# Altium PCB KCP-2282-601-PCBV3.8.PcbDoc (part 1 of 3)
Units mm, origin at the board's own origin, x right, y up, seen from the top; angles counter-clockwise.
Board outline 58.3 x 95.6 mm, 4 copper layers (Top (1), GND (2), VCC (3), Bottom (4)), stack 1.595 mm thick; 164 components, 88 nets, 538 pads, 533 vias.
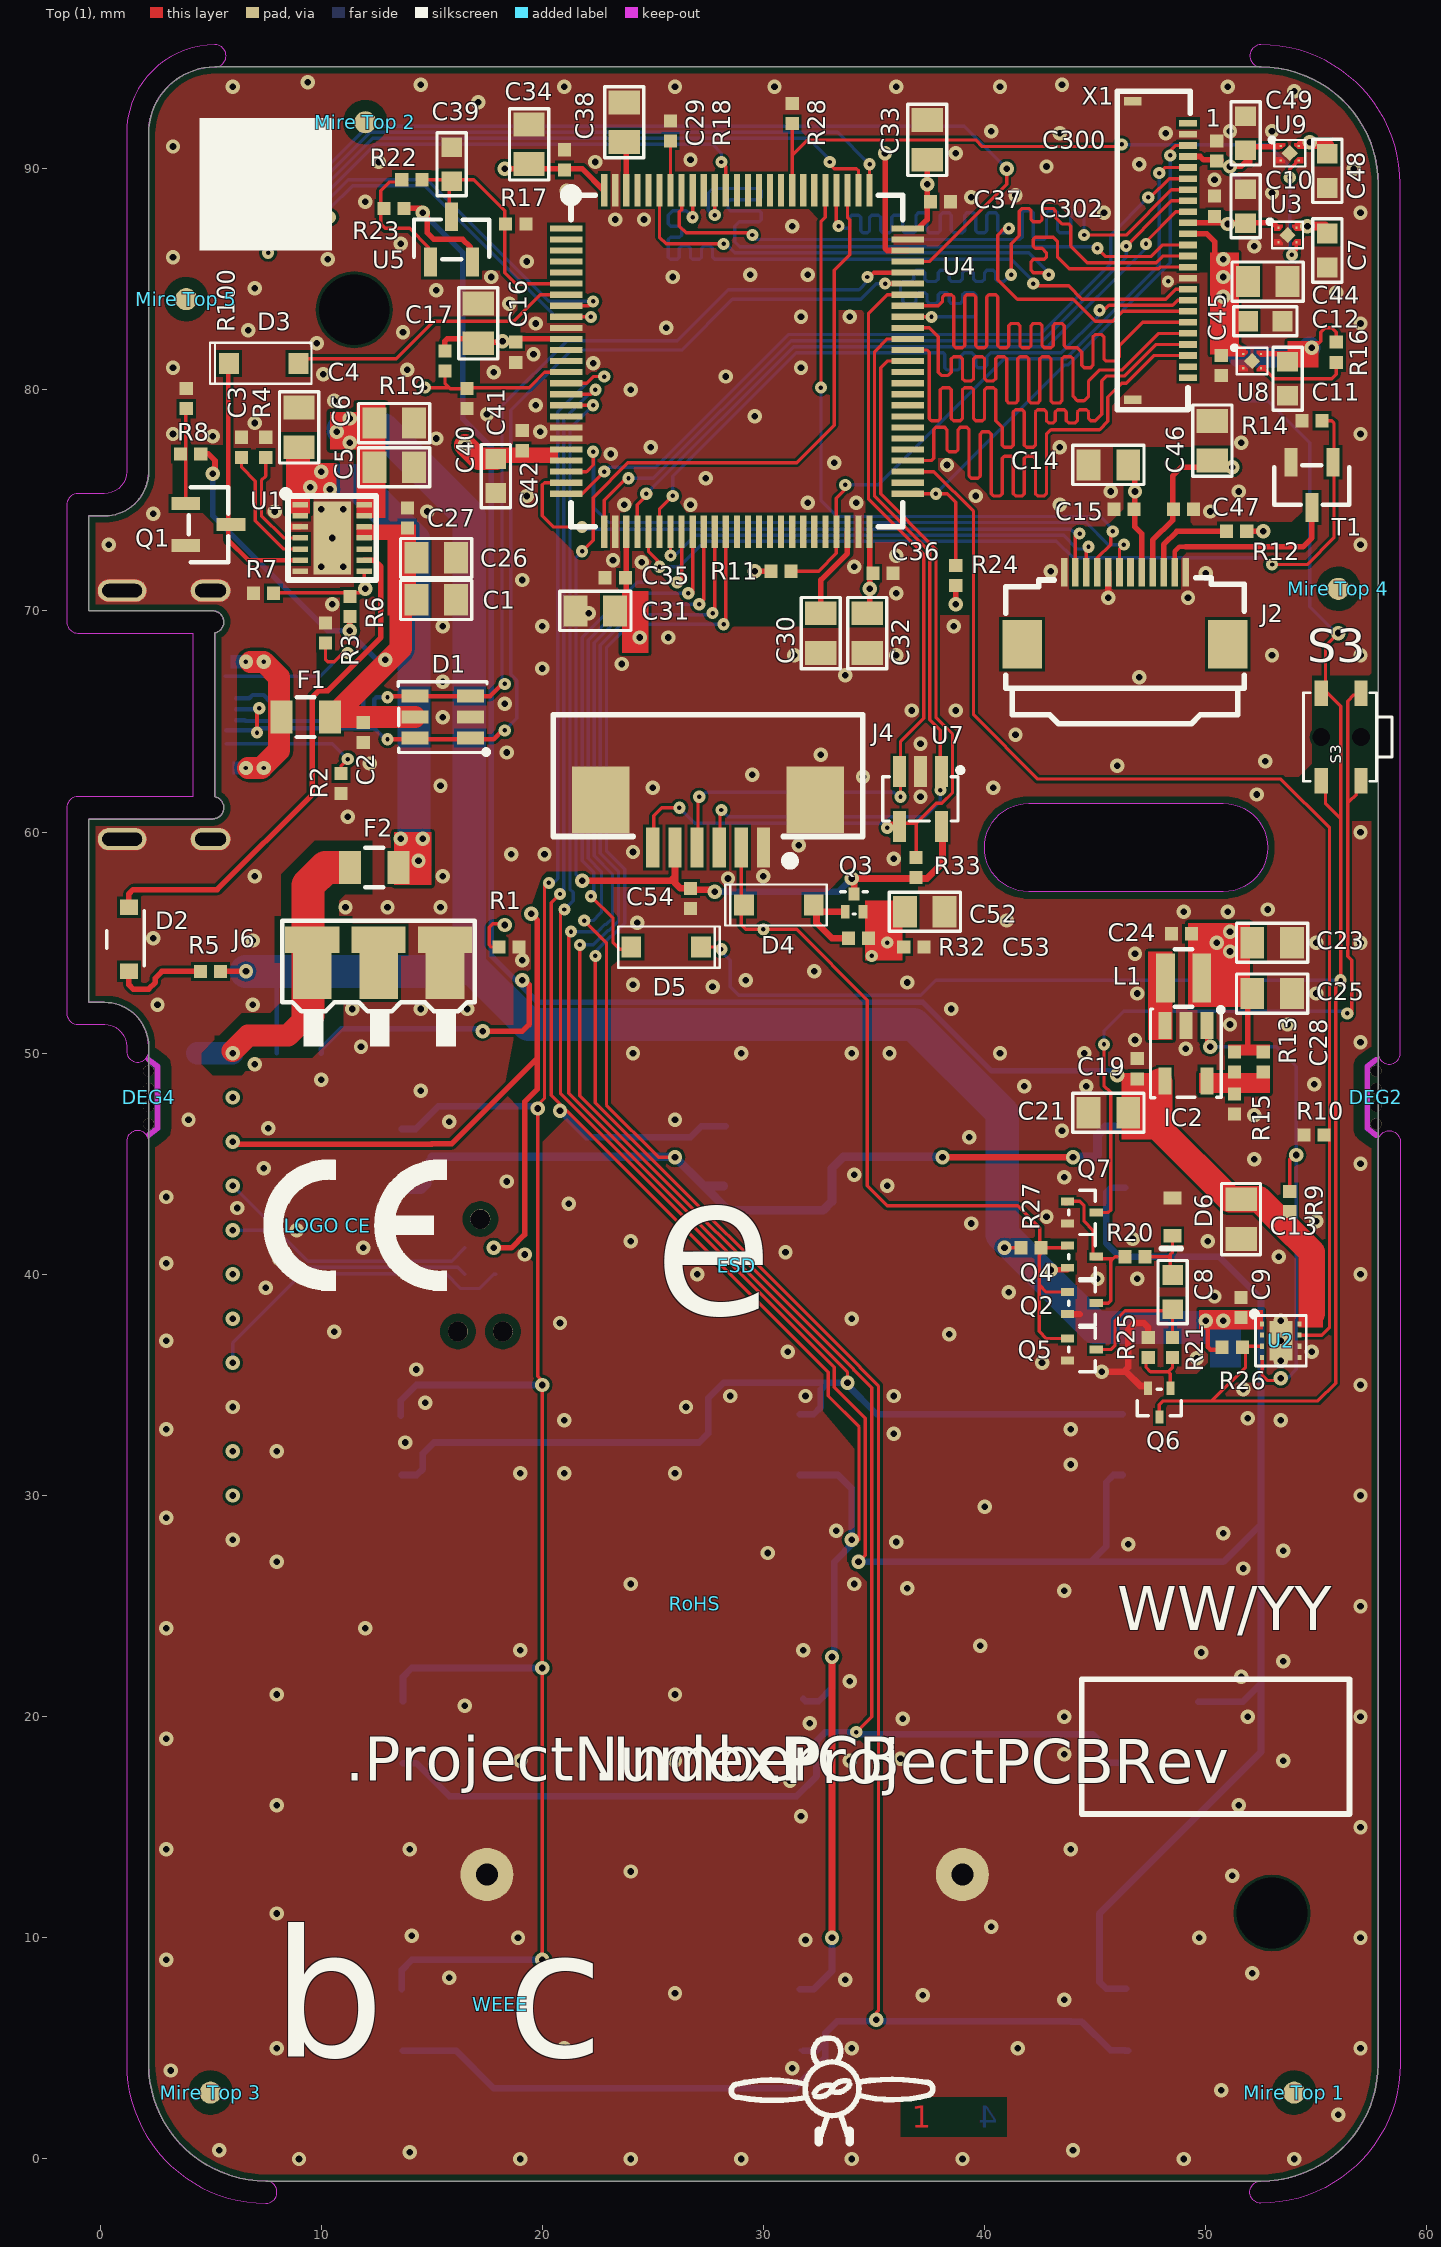
[diagram p0: Top (1) view]
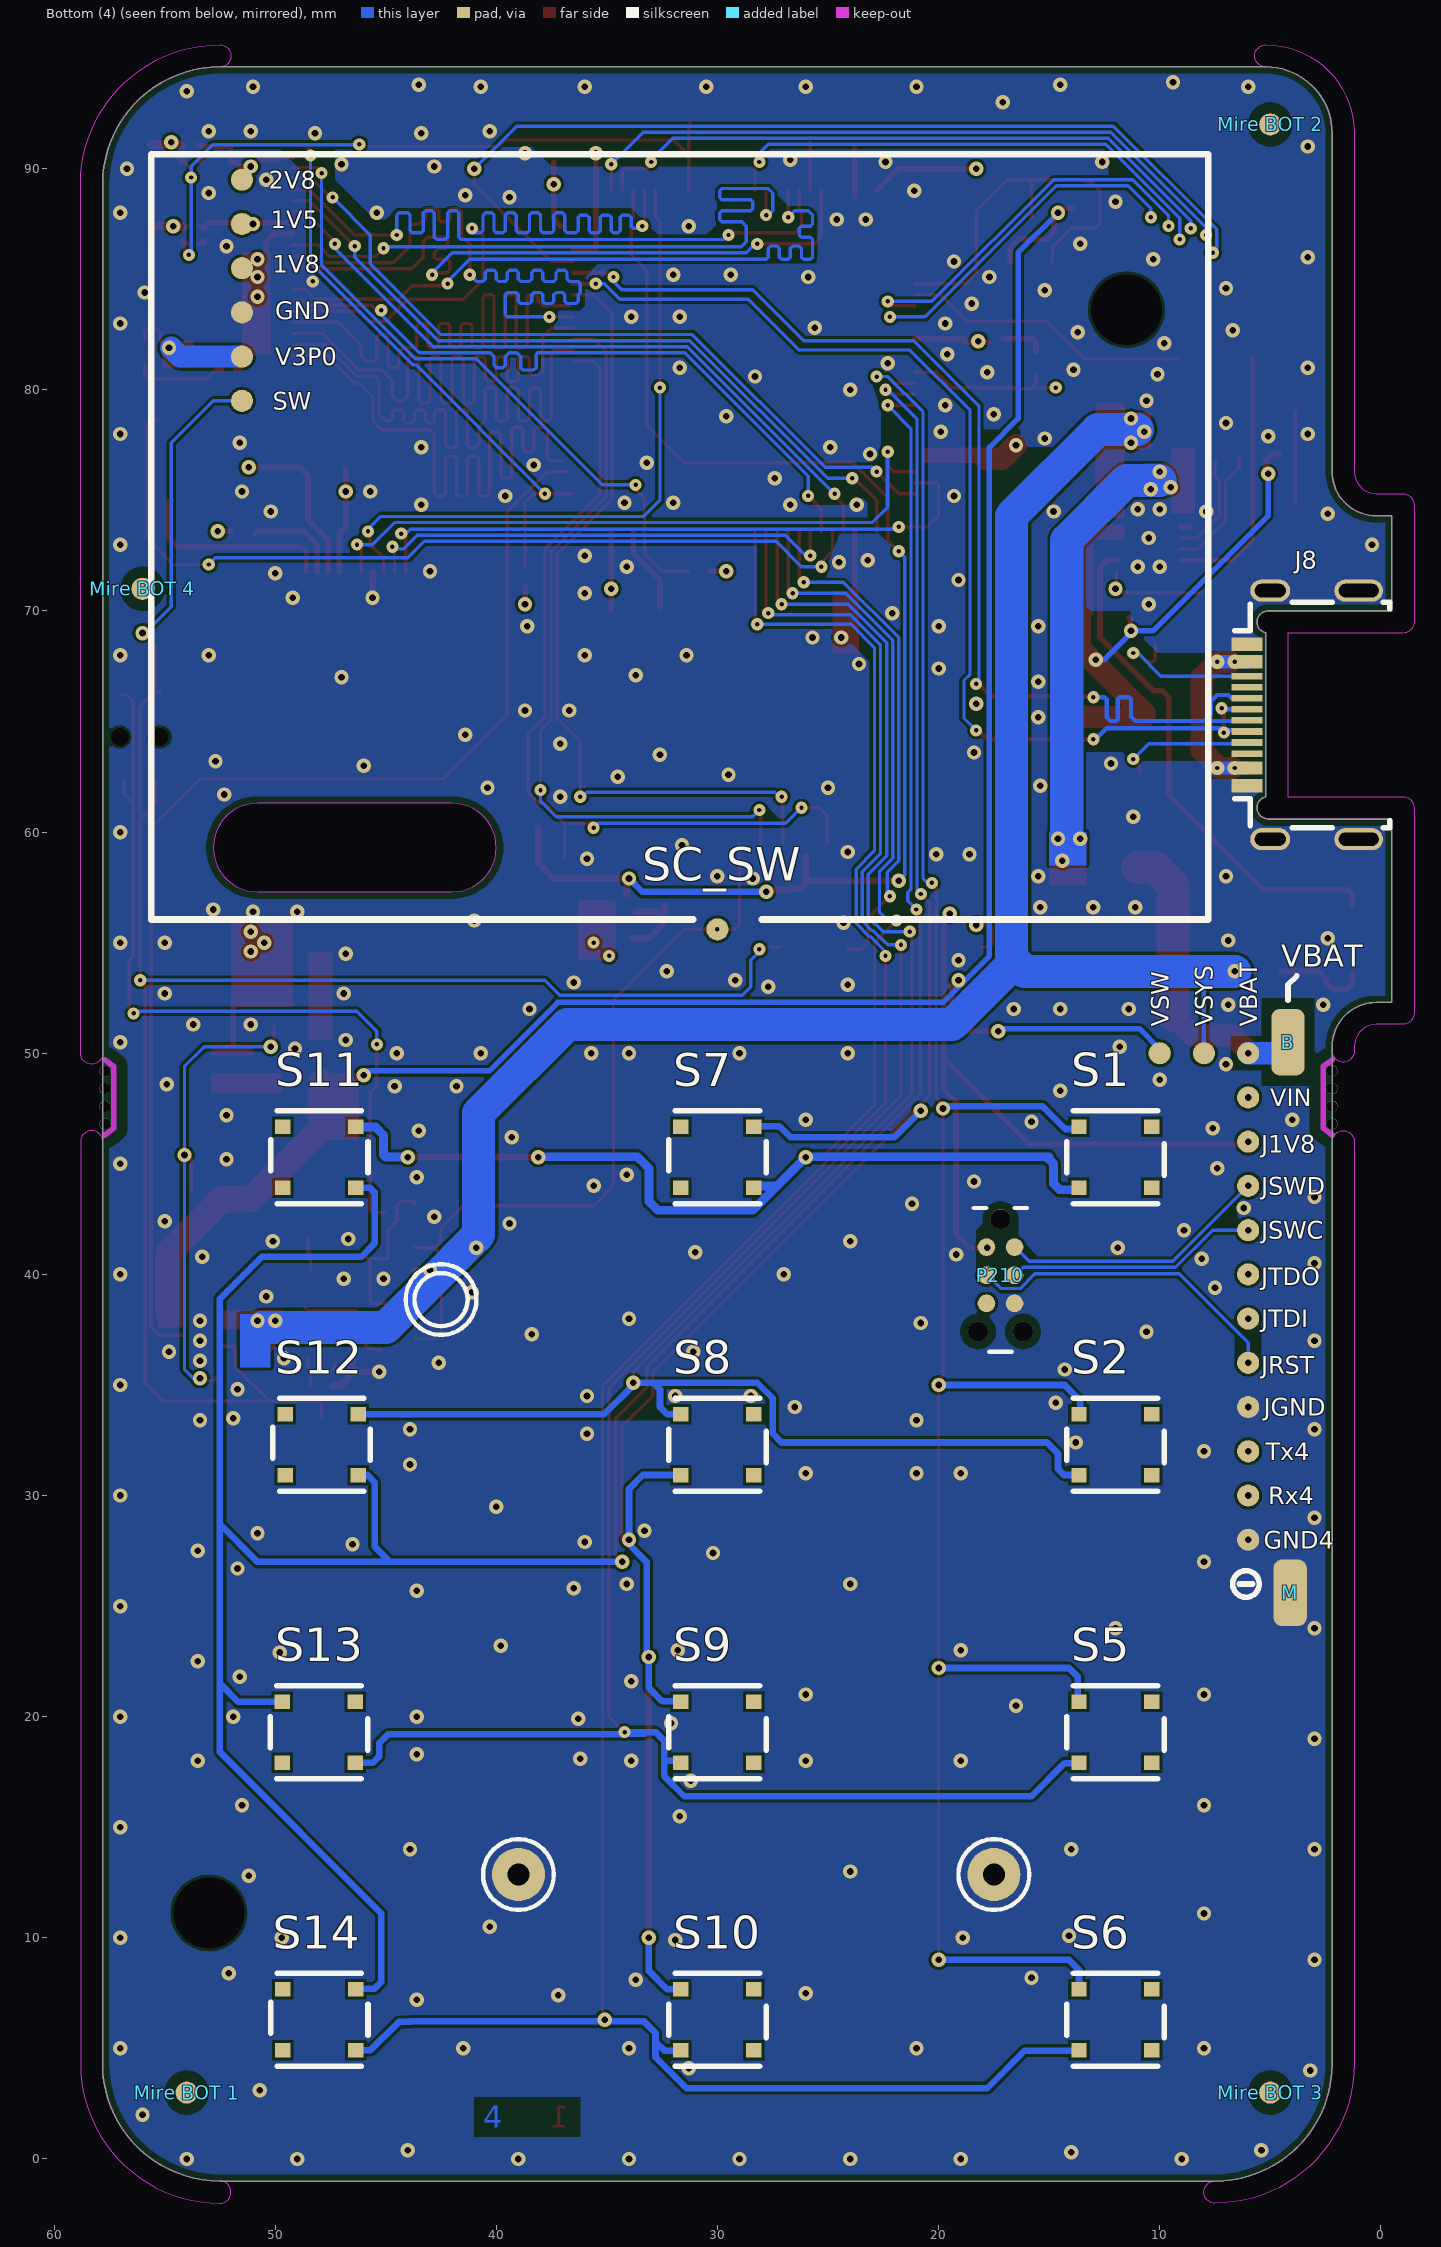
[diagram p1: Bottom (4) view, seen from below]
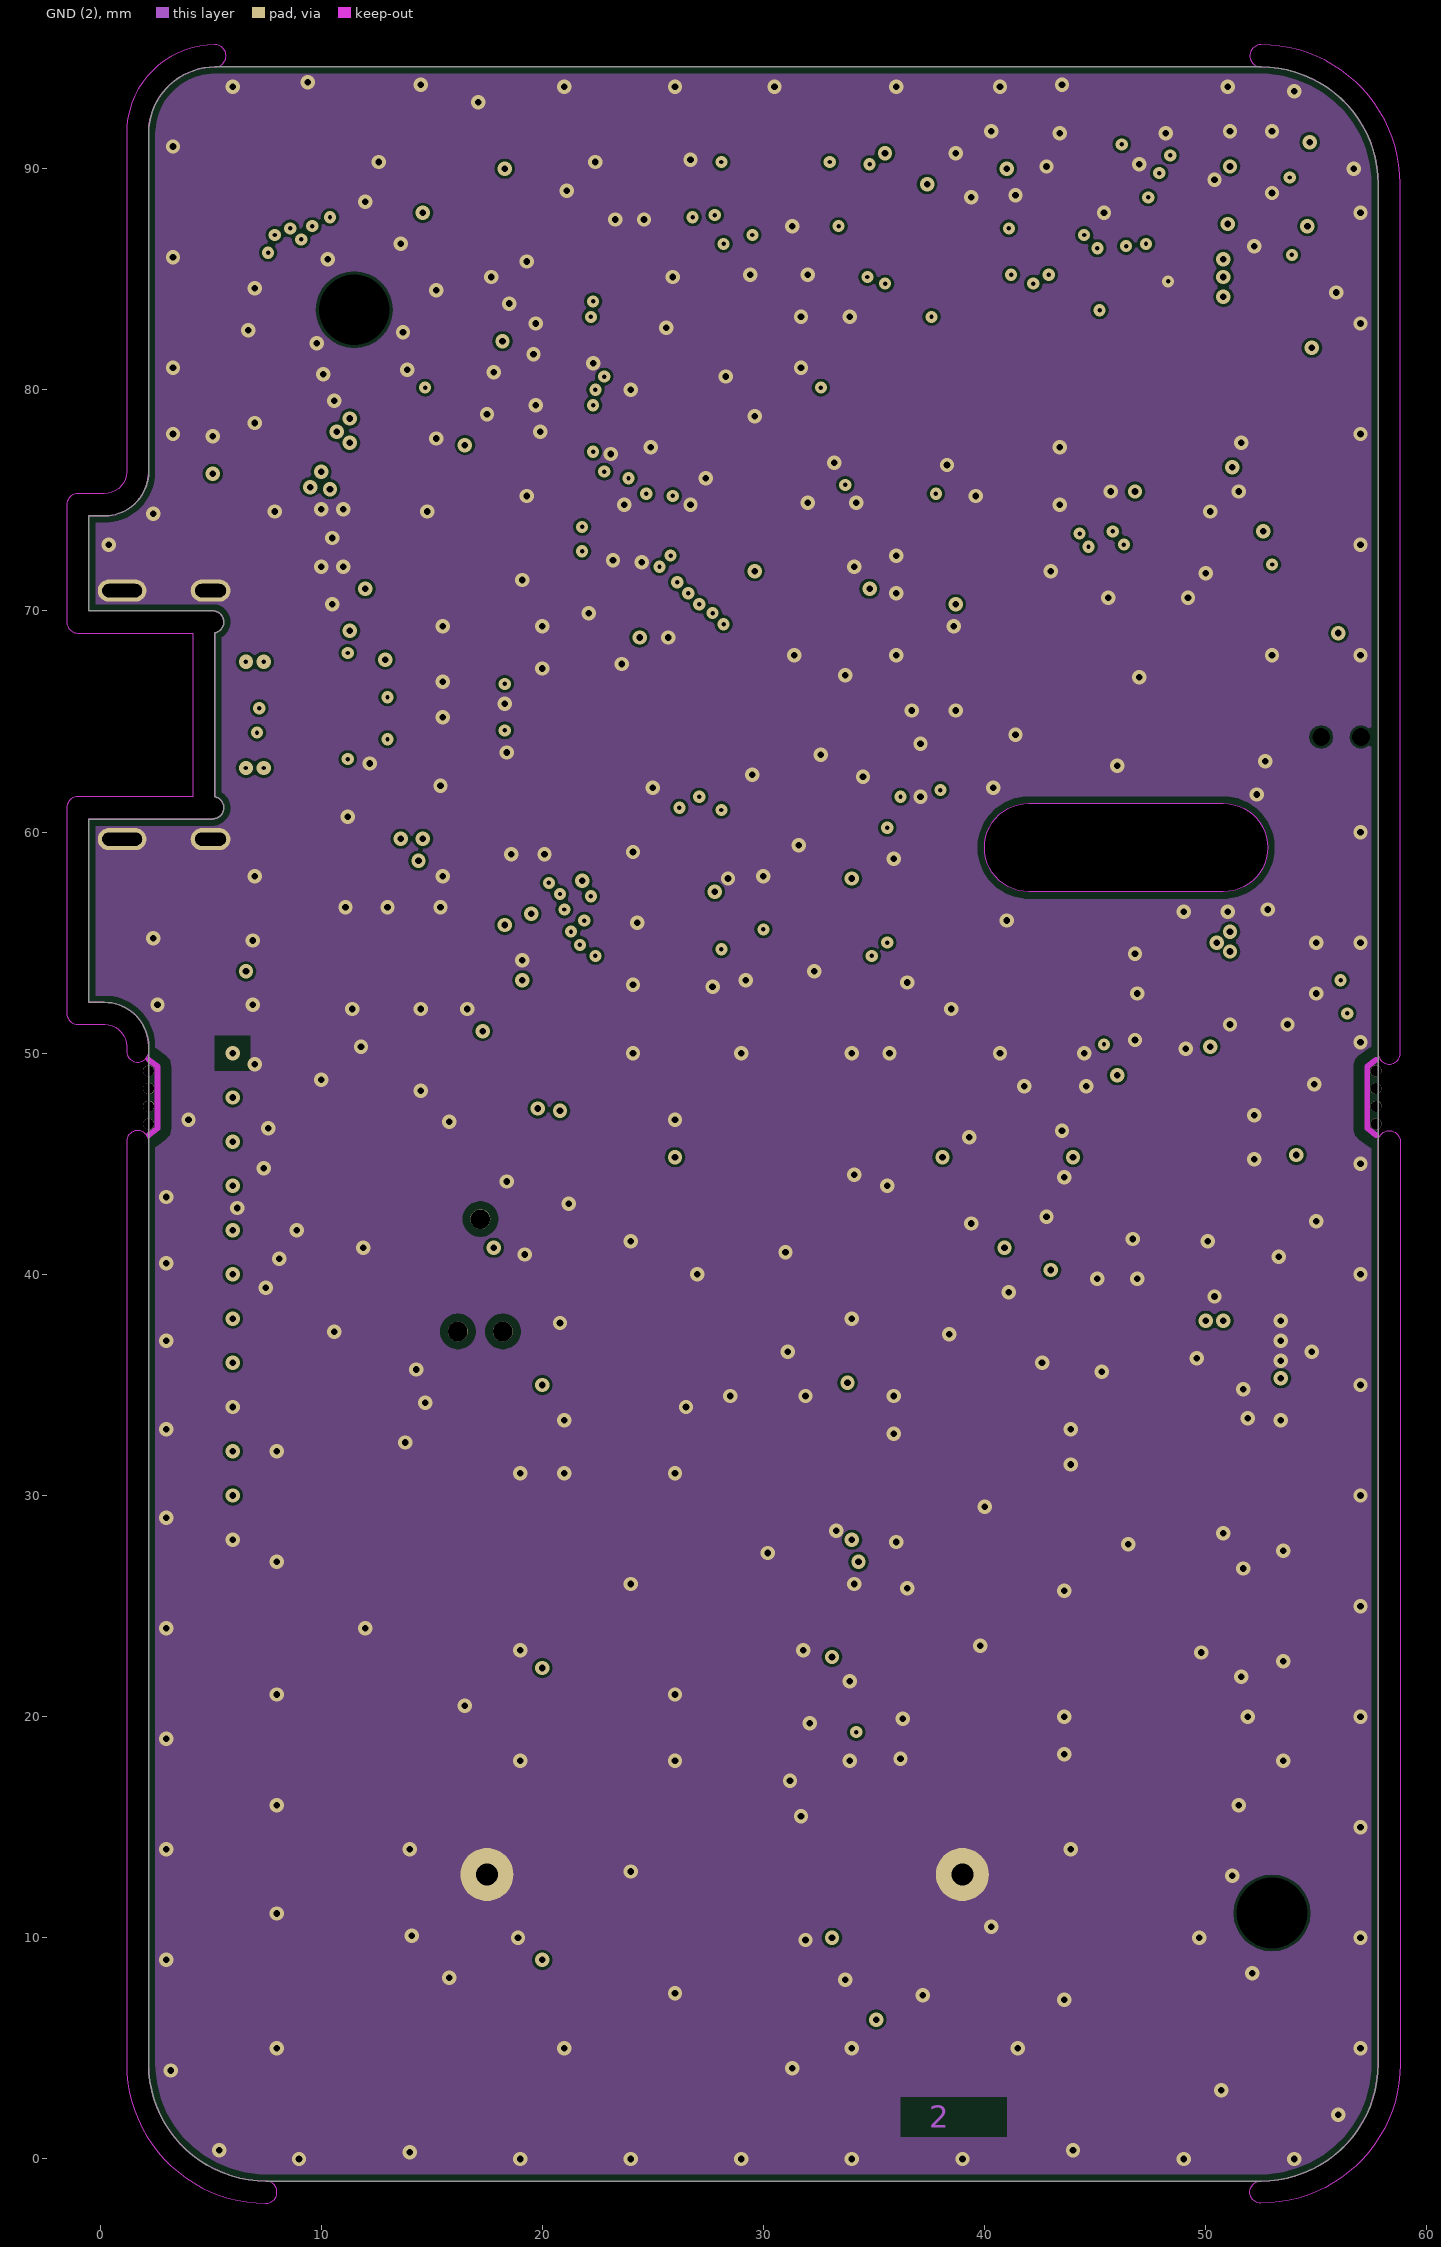
[diagram p2: GND (2)]
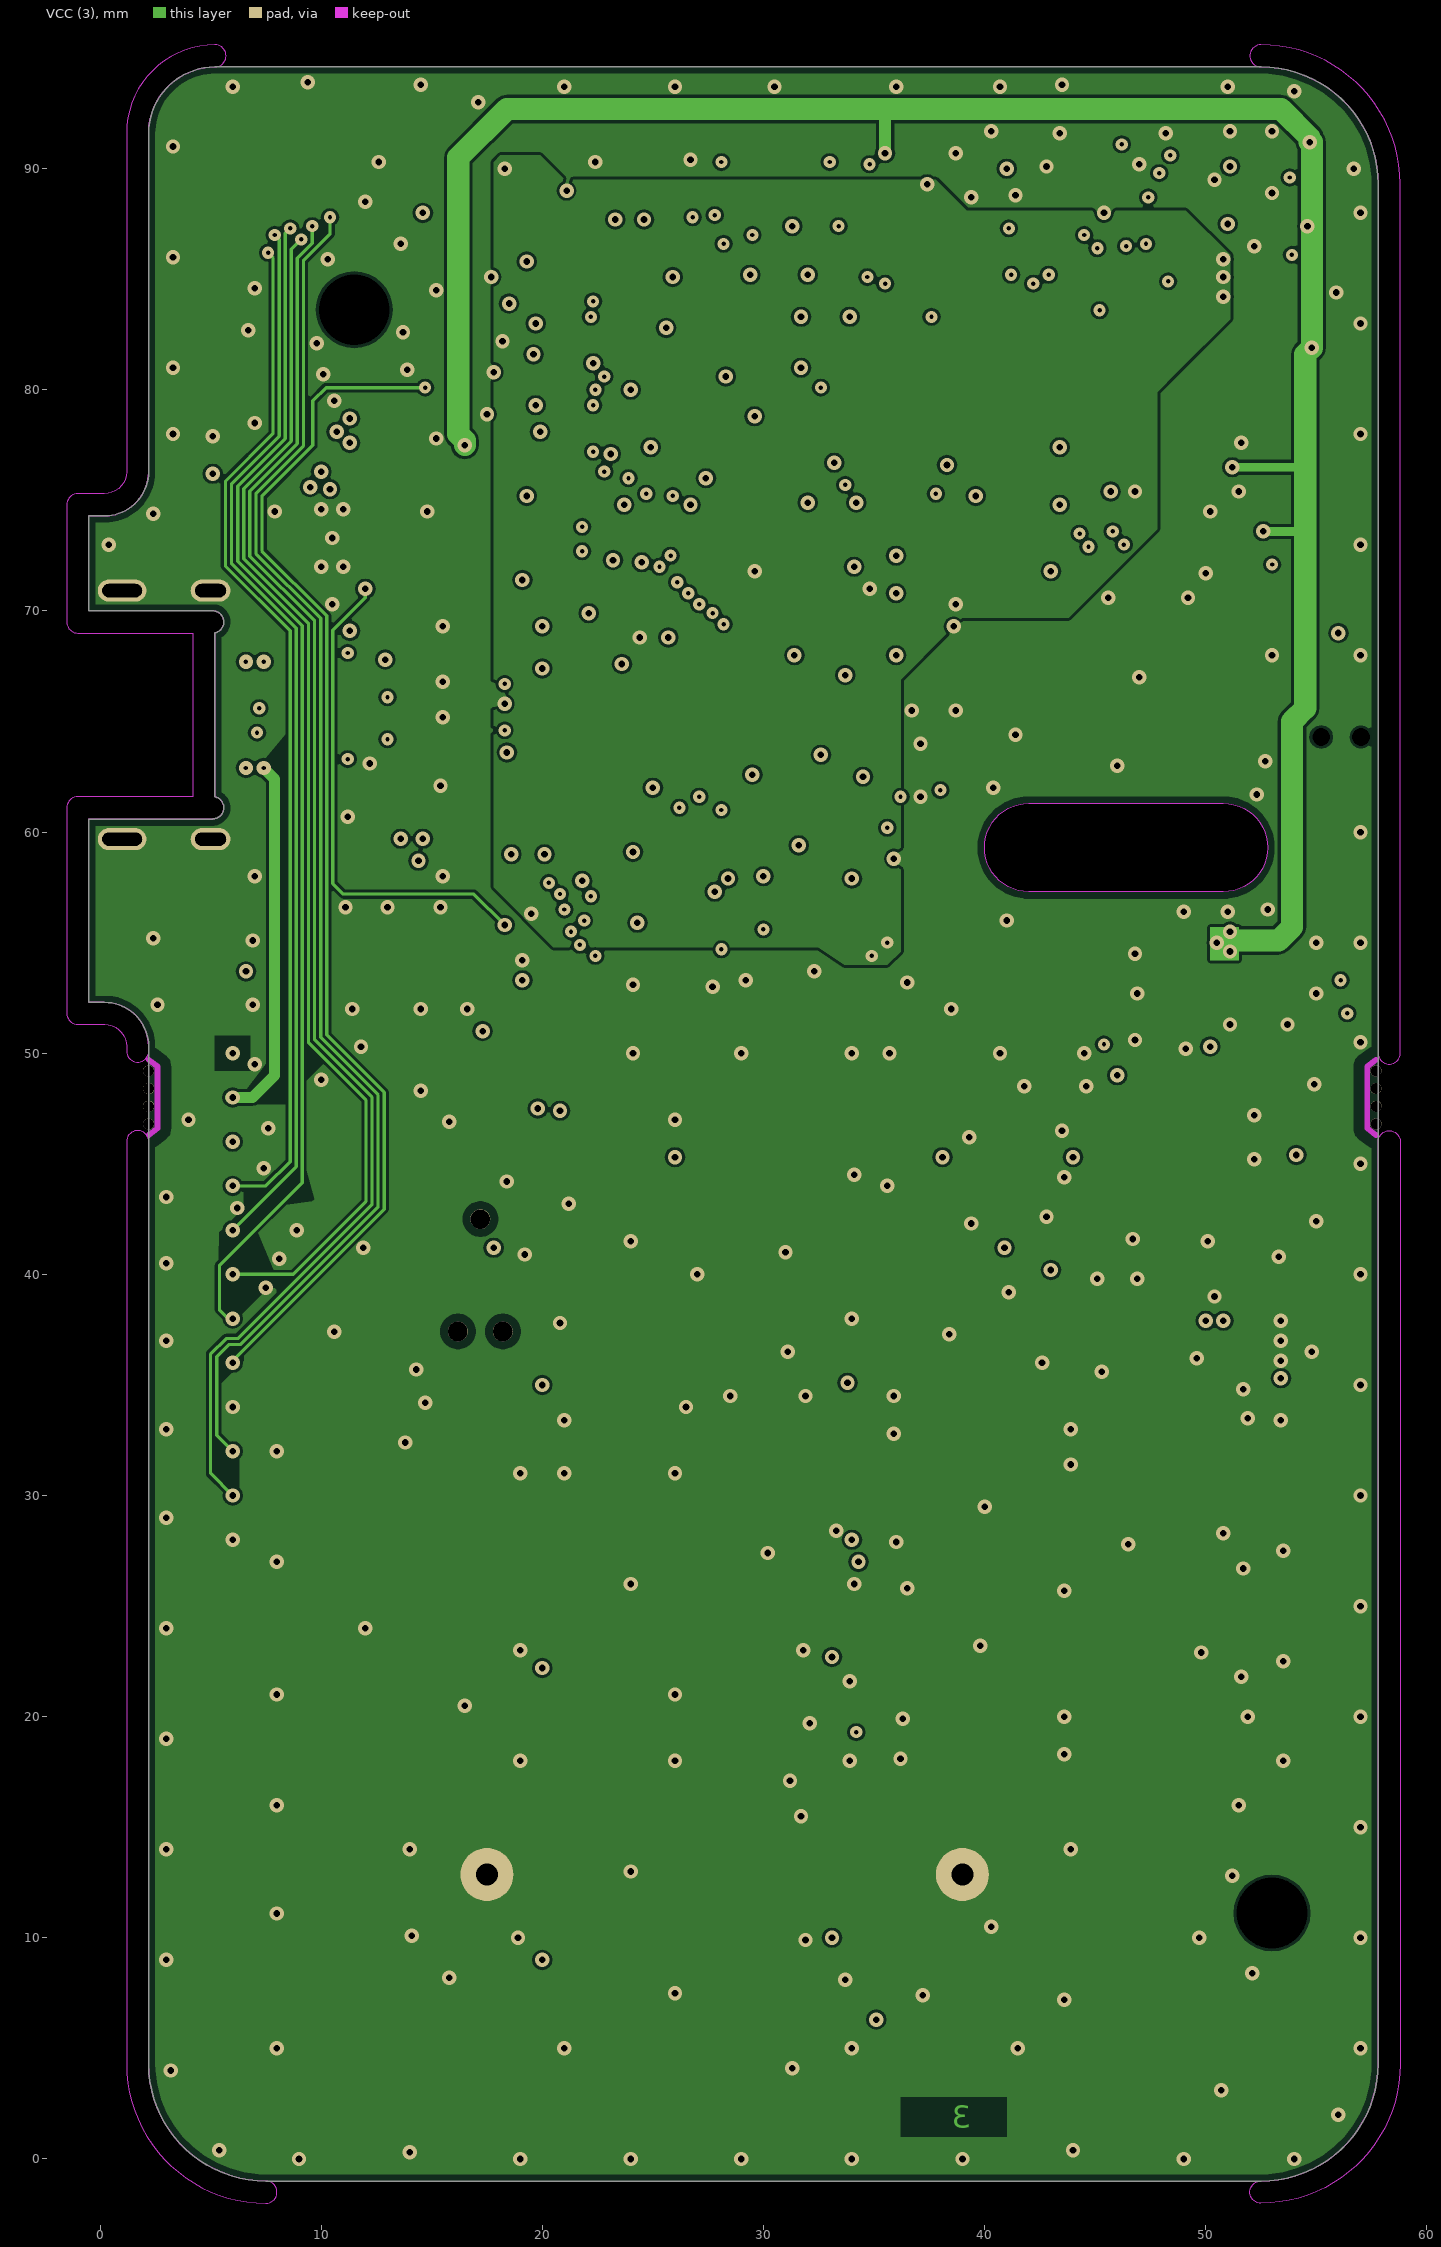
[diagram p3: VCC (3)]

## Layer stack, top to bottom
TopSolder: solder mask 0.01, Solder Resist, Dk 3.5
Top (1): signal copper 0.035
Dielectric1: prepreg 0.127, 2116, Dk 4.2
GND (2): signal copper 0.035
Dielectric2: core 1.2, FR-4, Dk 4.2
VCC (3): signal copper 0.0356
Dielectric4: prepreg 0.127, 2116, Dk 4.2
Bottom (4): signal copper 0.035
BottomSolder: solder mask 0.01, Solder Resist, Dk 3.5

## Board outline
-0.5,52.3 0.2,52.3 cw(c0.2,50.3) 2.2,50.3 2.2,4.3 ccw(c7.5,4.3) 7.5,-1 52.5,-1 ccw(c52.5,4.3) 57.8,4.3 57.8,89.3 ccw(c52.5,89.3) 52.5,94.6 5.2,94.6 ccw(c5.2,91.6) 2.2,91.6 2.2,76.3 cw(c0.2,76.3) 0.2,74.3 -0.5,74.3 -0.5,70 5.1,70 cw(c5.1,69.5) 5.2,69.01 5.2,61.59 5.204,61.589 cw(c5.1,61.1) 5.1,60.6 5.1,60.58 -0.5,60.58
cut-out: 7.5,-2 ccw(c7.5,-1.5) 7.5,-1 cw(c7.5,4.3) 2.201,4.3 ccw(c1.7,4.3) 2.201,4.309 2.201,46 ccw(c1.7,46) 1.2,46 1.2,4.3 ccw(c1.7,4.3) 1.2,4.291 ccw(c7.5,4.3)
cut-out: 1.2,4.296 cw(c7.5,4.3) 1.2,4.3 ccw(c1.7,4.3)
cut-out: 1.2,4.296 cw(c7.5,4.3) 1.2,4.3 ccw(c1.7,4.3)
cut-out: 52.5,-2 cw(c52.5,-1.5) 52.5,-1 ccw(c52.5,4.3) 57.8,4.3 cw(c58.3,4.3) 57.8,4.309 57.8,46 cw(c58.3,46) 58.8,46 58.8,4.3 cw(c58.3,4.3) 58.8,4.291 cw(c52.5,4.3)
cut-out: 1.2,4.296 cw(c7.5,4.3) 1.2,4.3 ccw(c1.7,4.3)
cut-out: -1.5,51.8 ccw(c-1,51.8) -1,51.3 0.2,51.3 ccw(c0.2,51.8) 0.209,51.3 cw(c0.2,50.3) 1.2,50.306 ccw(c1.7,50.3) 1.2,50.3 1.2,50.1 ccw(c1.7,50.1) 2.2,50.1 2.2,50.293 ccw(c1.7,50.3) 2.2,50.3 ccw(c0.2,50.3) 0.2,52.301 ccw(c0.2,51.8) 0.189,52.3 -0.5,52.3 -0.5,60.6 5.1,60.6 ccw(c5.1,61.1) 5.6,61.1 ccw(c5.1,61.1) 5.2,61.59 5.2,69.01 ccw(c5.1,69.5) 5.6,69.5 ccw(c5.1,69.5) 5.1,70 -0.5,70 -0.5,74.3 0.2,74.3 ccw(c0.2,74.8) 0.21,74.3 ccw(c0.2,76.3) 2.2,76.3 ccw(c1.7,76.3) 2.2,76.308 2.2,91.6 cw(c5.2,91.6) 5.2,94.6 ccw(c5.2,95.1) 5.7,95.1 ccw(c5.2,95.1) 5.2,95.6 ccw(c5.2,91.6) 1.2,91.607 ccw(c5.2,91.6) 1.2,91.6 cw(c1.7,91.6) 1.2,91.607 1.2,91.6 1.2,76.3 ccw(c1.7,76.3) 1.2,76.294 cw(c0.2,76.3) 0.2,75.3 ccw(c0.2,74.8) 0.191,75.3 -1,75.3 ccw(c-1,74.8) -1.5,74.8 -1.5,69.5 ccw(c-1,69.5) -1,69 4.2,69 4.2,61.6 -1,61.6 ccw(c-1,61.1) -1.5,61.1
cut-out: 52.5,94.6 cw(c52.5,89.3) 57.8,89.3 ccw(c58.3,89.3) 57.8,89.291 57.8,50 ccw(c58.3,50) 58.8,50 58.8,89.3 ccw(c58.3,89.3) 58.8,89.309 ccw(c52.5,89.3) 52.5,95.6 ccw(c52.5,95.1)
cut-out: 50.8,61.3 cw(c50.8,59.3) 50.8,57.3 42,57.3 cw(c42,59.3) 42,61.3

## Design rules (kind name [scope] priority, off if disabled: settings)
AssemblyTestPointUsage AssemblyTestPointUsage_2 [All] p2:
AssemblyTestPointUsage AssemblyTestPointUsage_1 [All] p3:
AssemblyTestpoint [All] p1: testpointundercomponent=TRUE minsize=1 maxsize=2.54 preferedsize=1.524 minholesize=0 maxholesize=1.016 preferedholesize=0.813 testpointgrid=0.025 usegrid=TRUE gridtolerance=0 allowsidetop=TRUE allowsidebottom=TRUE minspacing=1.27 compbodyclearance=1
AssemblyTestpoint AssemblyTestpoint_2 [All] p2: testpointundercomponent=TRUE minsize=1.016 maxsize=2.54 preferedsize=1.524 minholesize=0 maxholesize=1.016 preferedholesize=0.813 testpointgrid=0.025 usegrid=TRUE gridtolerance=0 allowsidetop=TRUE allowsidebottom=TRUE
AssemblyTestpoint AssemblyTestpoint_1 [All] p3: testpointundercomponent=TRUE minsize=1.016 maxsize=2.54 preferedsize=1.524 minholesize=0 maxholesize=1.016 preferedholesize=0.813 testpointgrid=0.025 usegrid=TRUE gridtolerance=0 allowsidetop=TRUE allowsidebottom=TRUE
BoardOutlineClearance BoardOutlineClearance_Overlay [OnLayer('TopOverlay')] p1: gap=-40
BoardOutlineClearance BoardOutlineClearance_HOLE_BLE_ANT [HasPad('P100-1')] p2: gap=0
BoardOutlineClearance BoardOutlineClearance_DEGRAPP [InComponent('Deg*')   or InComponent('J8')] p3: gap=0
BoardOutlineClearance [All] p4: gap=0.3 except(0: Arc-SplitContinuation Track-SplitContinuation SMDPad-SplitContinuation THPad-SplitContinuation Via-SplitContinuation Fill-SplitContinuation Poly-SplitContinuation Region-SplitContinuation Text-SplitContinuation)
Clearance Clearance_DEGRAP [InComponent('Deg*')] p1: gap=0.5
Clearance Clearance_DEGRAP_1 [InComponent('J8')] p2: gap=0
Clearance Clearance_RF [InNet('BLE_OUT') or InNet('BLE_RF')or InNet('BLE_ANT')] p3: gap=0.185
Clearance [All] p4: gap=0.125
ComponentClearance ComponentClearance_DEGG [InComponent('Deg*') or InComponent('Mire*')] p1: gap=0 collisioncheckmode=3 verticalgap=0 showdistances=FALSE
ComponentClearance [All] p2: gap=0.3 collisioncheckmode=3 verticalgap=0.254 showdistances=FALSE
DiffPairsRouting [InDifferentialPair('D110') or InDifferentialPair('D120') or InDifferentialPair('D17A')] p1: maxlimit=0.3 minlimit=0.15 mostfreqgap=0.15 toplayer_minwidth=0.15 toplayer_maxwidth=0.15 toplayer_prefwidth=0.15 midlayer1_minwidth=0.15 midlayer1_maxwidth=0.15 midlayer1_prefwidth=0.15 midlayer14_minwidth=0.15 midlayer14_maxwidth=0.15 midlayer14_prefwidth=0.15 bottomlayer_minwidth=0.15 bottomlayer_maxwidth=0.15 bottomlayer_prefwidth=0.15 maxuncoupledlength=12.7
DiffPairsRouting DiffPairsRouting_100 [InDifferentialPair('CAM0_CK') or InDifferentialPair('CAM0_D0') or InDifferentialPair('CAM0_D1') or InDifferentialPair('HDMI0_CK')or InDifferentialPair('HDMI0_D0') or InDifferentialPair('HDMI0_D1') or InDifferentialPair('HDMI0_D2')] p2: maxlimit=0.3 minlimit=0.2 mostfreqgap=0.24 toplayer_minwidth=0.15 toplayer_maxwidth=0.15 toplayer_prefwidth=0.15 midlayer1_minwidth=0.15 midlayer1_maxwidth=0.15 midlayer1_prefwidth=0.15 midlayer14_minwidth=0.15 midlayer14_maxwidth=0.15 midlayer14_prefwidth=0.15 bottomlayer_minwidth=0.15 bottomlayer_maxwidth=0.15 bottomlayer_prefwidth=0.15 maxuncoupledlength=12.7
FabricationTestPointUsage FabricationTestPointUsage_1 [All] p2: valid=0 allowmultiple=FALSE
FabricationTestPointUsage 测试点用法.... [All] p3: valid=0 allowmultiple=FALSE
FabricationTestpoint [All] p1: side=3 testpointundercomponent=TRUE minsize=1 maxsize=2.54 preferedsize=1.524 minholesize=0 maxholesize=1.016 preferedholesize=0.813 testpointgrid=0.025 allowsidetop=TRUE allowsidebottom=TRUE usegrid=TRUE gridtolerance=0 minspacing=1.27 compbodyclearance=1 boardedgeclearance=1 padholecenterclearance=1
FabricationTestpoint FabricationTestpoint_1 [All] p2: side=3 testpointundercomponent=TRUE minsize=1.016 maxsize=2.54 preferedsize=1.524 minholesize=0 maxholesize=1.016 preferedholesize=0.813 testpointgrid=0.025 allowsidetop=TRUE allowsidebottom=TRUE usegrid=TRUE gridtolerance=0
FabricationTestpoint 测试点... [All] p3: side=3 testpointundercomponent=TRUE minsize=1.016 maxsize=2.54 preferedsize=1.524 minholesize=0.508 maxholesize=1.016 preferedholesize=0.813 testpointgrid=0.025 allowsidetop=TRUE allowsidebottom=TRUE usegrid=TRUE gridtolerance=0
FanoutControl Fanout_LCC_2 [IsLCC] p1: bgadir=Out bgaviamode=Centered fanoutstyle=Auto fanoutdirection=Alternating viagrid=0.025 // Fanout_LCC (Default Rule)
FanoutControl Fanout_BGA [IsBGA] p2: bgadir=Out bgaviamode=Centered fanoutstyle=Auto fanoutdirection=Alternating viagrid=0.025 // Fanout_BGA (Default Rule)
FanoutControl Fanout_BGA_2 [IsBGA] p3: bgadir=Out bgaviamode=Centered fanoutstyle=Auto fanoutdirection=Alternating viagrid=0.025 // Fanout_BGA (Default Rule)